# Allegro board ZDRK-36-DE3-A02-20190729.brd (continued)
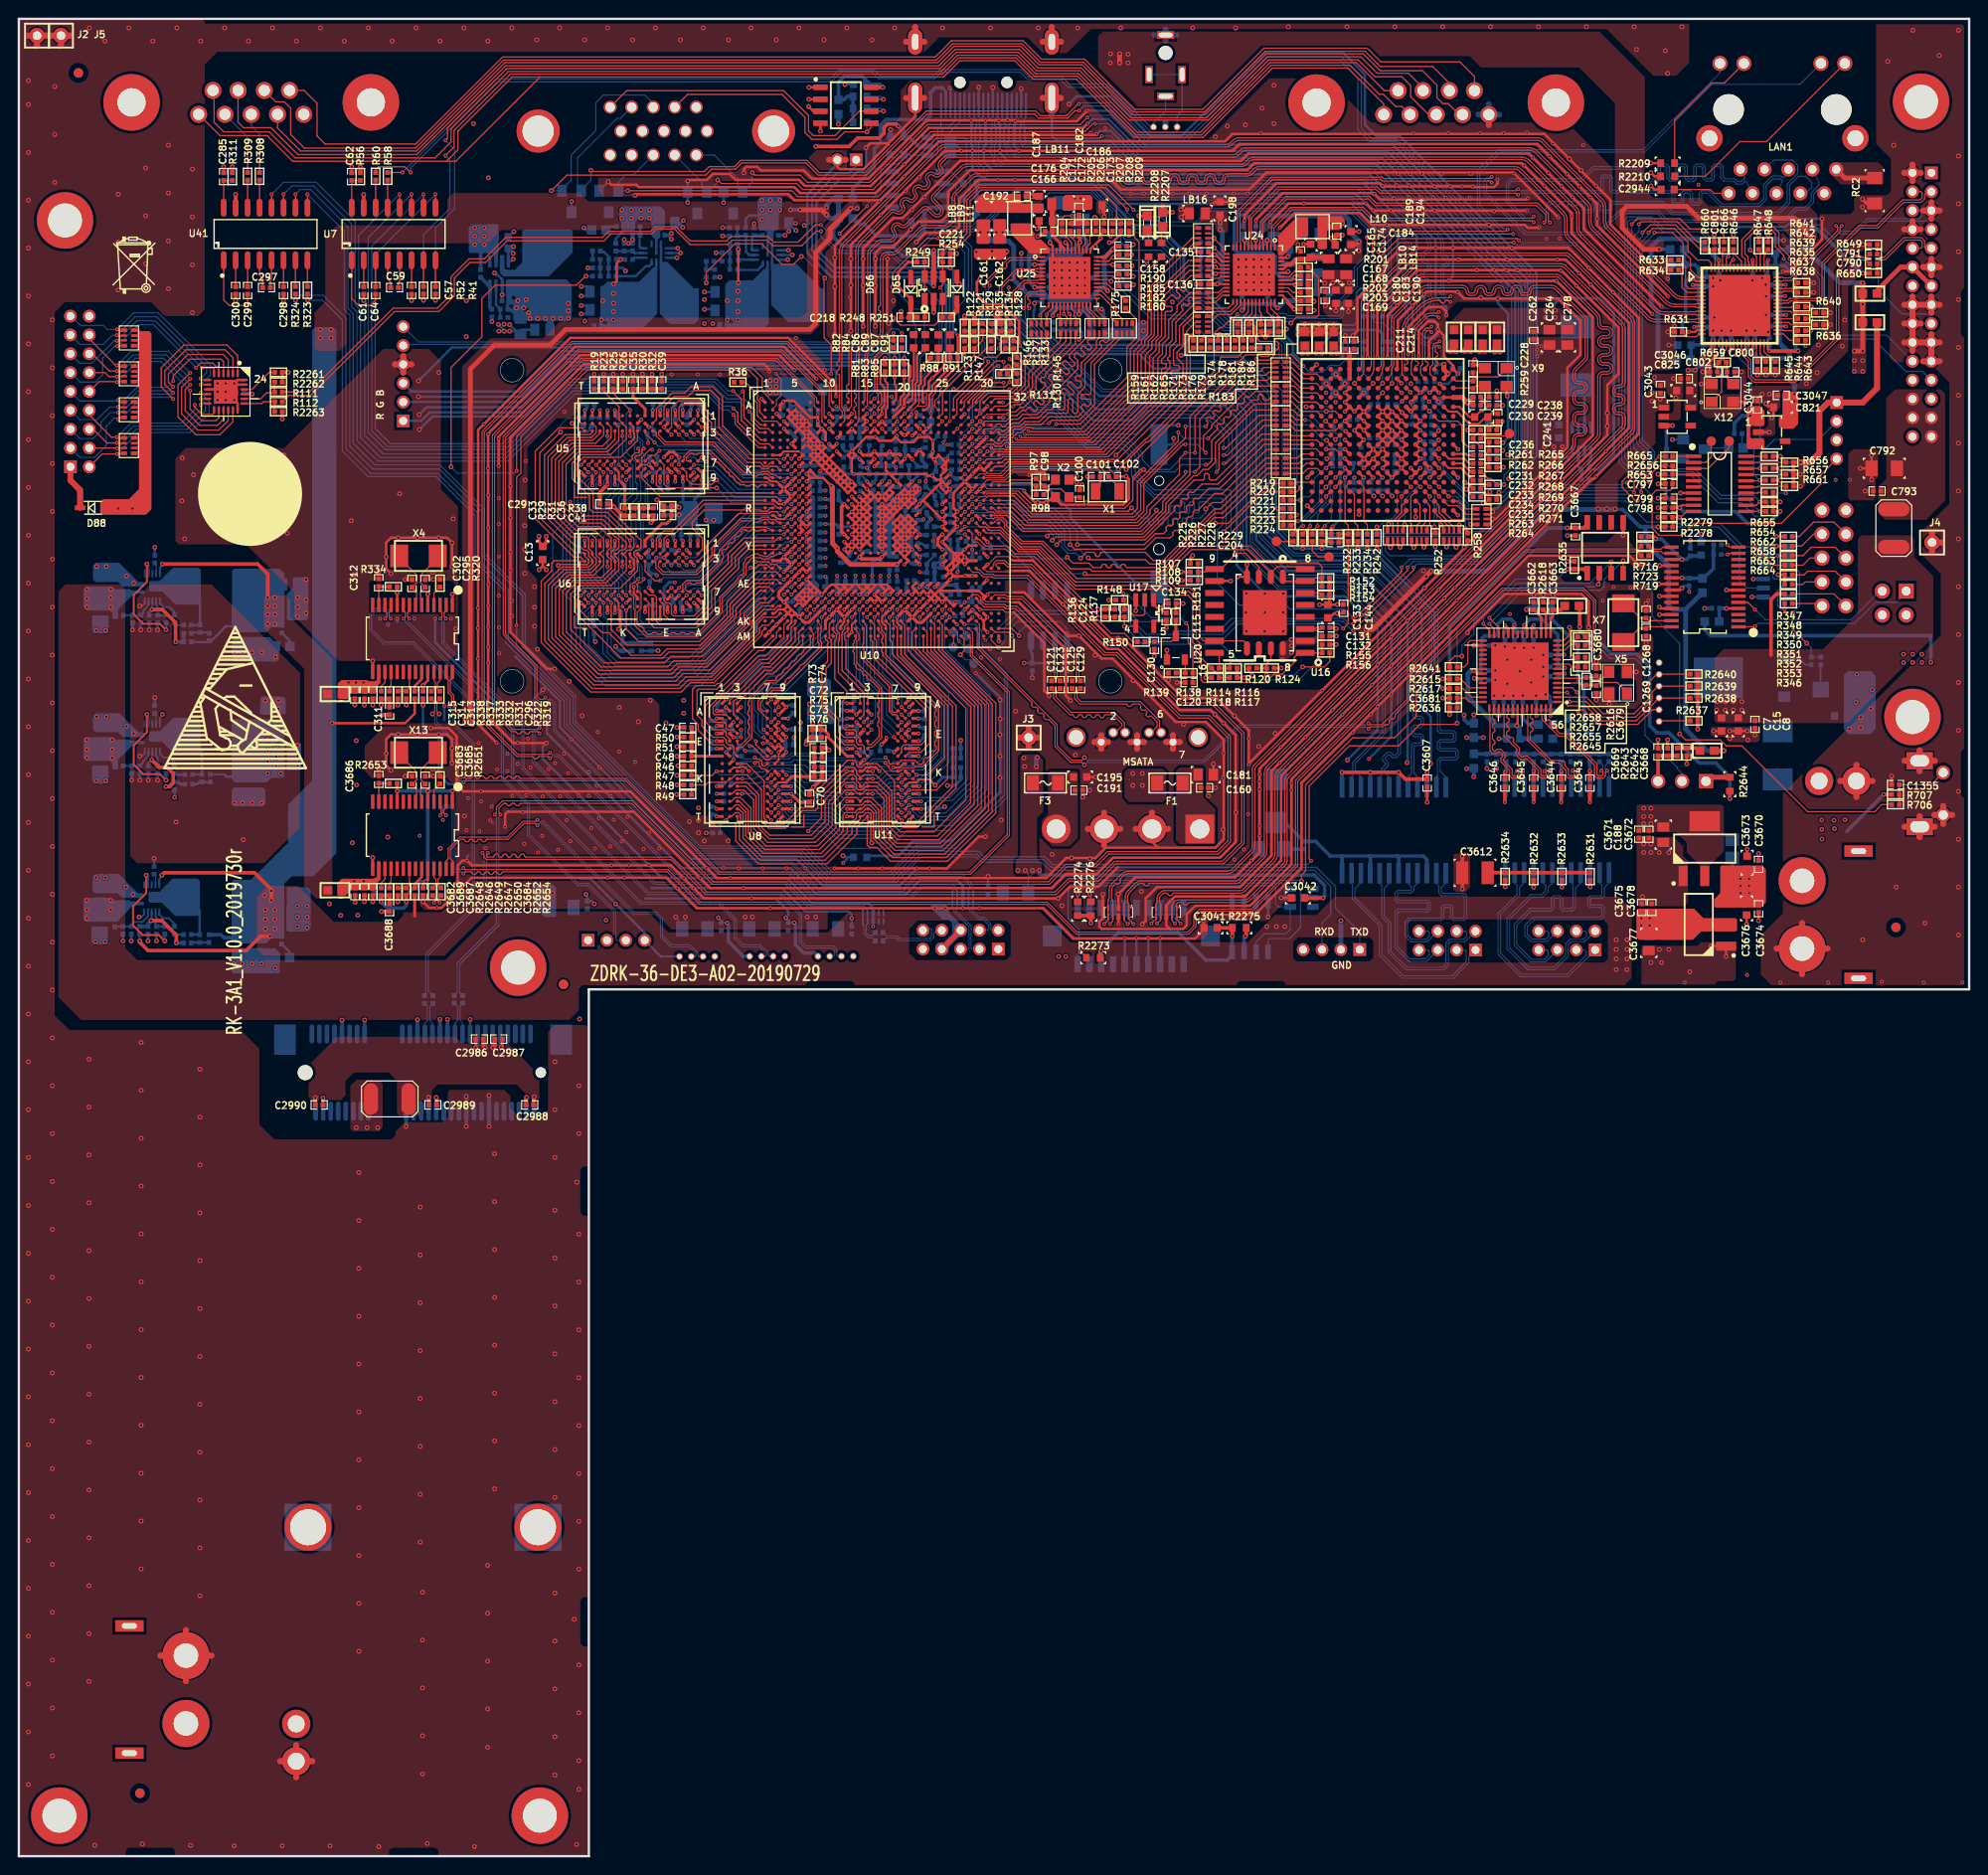
[diagram p0: board, top side]
## Routing (per net, layer and track width the routed paths; a pad name or vN(x,y) marks a point on that pad's centre or on a via; arc(x,y) is an arc through that point) (continued)
DDR1_WE_N: length 42
  TOP w0.127: U11.L3 v1(90.63,114.35) ; U8.L3 v1(76.79,114.35) ; U10.AG19 v1(93.21,133.09)
  BOTTOM w0.127: v1(93.21,133.09) 92.82,132.7 92.82,126.83 97.16,122.5 97.16,117.16 95.72,115.72 93.92,115.72 93.35,115.15 91.92,115.15 91.12,114.35 v1(90.63,114.35) 90.28,114.71 83.71,114.71 83.08,115.34 81.88,115.34 81.76,115.45 79.95,115.45 79.05,114.55 78.33,114.55 78.13,114.35 v1(76.79,114.35)
DDR1_ZQ: length 1.6
  TOP w0.305: U10.AF20 v1(94.01,133.89)
  BOTTOM w0.254: R395.1 93.84,133.89 v1(94.01,133.89)
DDR_VREF_CA_0: length 7.7
  TOP w0.203: 63.98,145.79 63.68,146.09 63.68,146.86 U5.M8
  TOP w0.305: C36.2 R31.2 R29.1 C33.1 64.3,145.47 63.98,145.79
DDR_VREF_CA_1: length 8.2
  TOP w0.178: U6.M8 63.68,133.01 63.68,132.29
  TOP w0.203: 63.68,132.29 63.84,132.13
  TOP w0.305: v2(63.66,130.23) 63.84,130.4 63.84,132.13
  BOTTOM w0.381: C498.2 R409.2 C501.1 R411.1 64.1,129.8 v2(63.66,130.23)
DDR_VREF_CA_2: length 7.7
  TOP w0.203: U8.M8 80.66,113.96 81.42,113.96 81.73,114.26
  TOP w0.305: 81.73,114.26 82.05,114.58 R76.1 C73.1 R75.2 C72.2
DDR_VREF_CA_3: length 9
  TOP w0.203: U11.M8 94.51,113.96 95.26,113.96 95.57,114.26 96.66,114.26 v2(97.25,113.67)
  BOTTOM w0.305: v2(97.25,113.67) 98.1,114.51 C353.1 R385.1 R384.2 C352.2
DDR_VREF_DQ_0: length 6.4
  TOP w0.305: C39.2 R32.2 R30.1 C35.1 65.19,154.88 66.47,153.6 U5.H1
DDR_VREF_DQ_1: length 8.4
  TOP w0.305: U6.H1 66.47,139.65 68.23,141.41 68.74,141.41 69.28,141.95 C41.1 R38.1
  TOP w0.381: v2(70.08,143.15) 69.92,143.31 R38.1
  BOTTOM w0.381: v2(70.08,143.15) R408.2 C491.2
DDR_VREF_DQ_2: length 6.3
  TOP w0.305: U8.H1 71.42,116.75 C48.1
  TOP w0.381: C48.1 R51.1 R50.2 C47.2
DDR_VREF_DQ_3: length 8
  TOP w0.305: U11.H1 87.9,116.75 85.94,118.71 85.94,119.04 85.42,119.56 C74.1 R73.1
  TOP w0.381: R73.1 84.21,120.2 v2(84.28,120.27)
  BOTTOM w0.381: v2(84.28,120.27) C440.2 R403.2
EDP_BL_DIM: length 34
  TOP w0.127: v1(187.33,169.52) 187.33,169.9 186.44,170.79 186.44,172.19 186.03,172.59 184.4,172.59 183.21,171.4 183.21,170.05 183.54,169.72 183.54,169.27 183.64,169.17 U66.54
  BOTTOM w0.127: JE1.23 202.07,157.58 200.28,157.58 196.85,161.01 192.2,161.01 191.14,162.08 191.14,167.36 189.87,168.63 188.21,168.63 v1(187.33,169.52)
EDP_BL_EN: length 31.8
  TOP w0.127: U66.55 183.24,169.49 182.88,169.85 182.88,171.58 184.2,172.9 186.23,172.9 186.82,172.31 186.82,170.92 187.96,169.77 v1(187.96,169.52)
  BOTTOM w0.127: v1(187.96,169.52) 188.47,169.01 189.99,169.01 191.52,167.49 191.52,162.15 192.25,161.42 198.23,161.42 JE1.22
EDP_D0+: length 21
  TOP w0.114: v1(192.87,173.03) 193.05,172.86 193.05,172.52 188.03,167.5 187.3,167.5 187.23,167.57 U66.48
  BOTTOM w0.114: JE1.7 203,173.08 202.54,173.53 196.29,173.53 194.93,172.17 193.33,172.17 193.05,172.46 193.05,172.86 v1(192.87,173.03)
EDP_D0-: length 20.9
  TOP w0.114: v1(193.48,173.03) 193.31,172.86 193.31,172.41 188.14,167.23 187.3,167.23 187.23,167.17 U66.47
  BOTTOM w0.114: JE1.6 201.77,174.65 201.93,174.5 201.93,174.02 201.71,173.8 196.18,173.8 194.82,172.44 193.44,172.44 193.31,172.57 193.31,172.86 v1(193.48,173.03)
EDP_D1+: length 23.6
  TOP w0.114: U66.42 187.23,165.17 187.3,165.1 187.73,165.1 187.96,165.33 191.14,165.33 191.39,165.58 191.39,169.13 195.32,173.06 197.22,173.06 199.94,175.78 201.79,175.78 202.02,176 202.02,176.54 201.9,176.65 JE1.4
EDP_D1-: length 23.7
  TOP w0.114: JE1.3 202.56,176.65 202.28,176.37 202.28,175.89 201.9,175.51 200.05,175.51 197.33,172.8 195.43,172.8 191.66,169.02 191.66,165.47 191.25,165.06 188.07,165.06 187.84,164.83 187.3,164.83 187.23,164.77 U66.41
EECLK: length 16.4
  TOP w0.127: U1494.2 167.74,135.08 v2(167.64,134.98) ; v1(156.08,131.42) 157.08,130.42 U1.26
  BOTTOM w0.127: v2(167.64,134.98) 167.39,134.72 159.38,134.72 v1(156.08,131.42)
EECS: length 5.1
  TOP w0.127: U1.29 155.4,129.01 154.05,129.01 153.8,128.75 153.8,126.59 153.42,126.21 R2641.1
EECS_J: length 20.9
  TOP w0.127: R2641.2 151.87,126.82 152.4,127.36 v2(153.16,127.36)
  TOP w0.381: v2(164.36,136.6) R2635.2 166.09,136.6 166.47,136.22 U1494.1
  BOTTOM w0.127: v2(164.36,136.6) 163.3,135.53 158.9,135.53 154.43,131.06 154.43,129.74 153.16,128.47 v2(153.16,127.36)
EEDI: length 20.1
  TOP w0.127: U1494.4 v2(170.28,137.49) ; v1(156.08,130.78) 156.58,130.28 U1.27
  BOTTOM w0.127: v1(156.08,130.78) 159.64,134.34 167.89,134.34 168.28,134.72 168.28,135.48 v2(170.28,137.49)
EEDO: length 19.3
  TOP w0.127: v1(155.45,130.78) 156.08,130.15 U1.28 ; U1494.3 v2(169.01,137.36)
  BOTTOM w0.127: v2(169.01,137.36) 166.75,135.1 159,135.1 155.45,131.55 v1(155.45,130.78)
EPHY0_CLK: length 19.9
  TOP w0.127: v1(129.34,163.63) 128.63,162.92 128.4,162.92 127.71,162.23 127.48,162.23 126.59,161.34 125.91,161.34 125.53,160.96 R161.1 ; R201.1 137.97,167.51 137.97,163.58 137.72,163.32 135.61,163.32 v2(135,162.71)
  BOTTOM w0.127: v1(129.34,163.63) 129.39,163.63 129.46,163.55 131.95,163.55 132.64,162.86 134.85,162.86 v2(135,162.71)
EPHY0_RSTN: length 1
  TOP w0.127: R173.1 129.36,161.16 R174.2
EPHY1_CLK: length 8.2
  TOP w0.127: v1(111.79,174.09) 111.02,174.09 110.74,173.81 R204.1 ; v1(115.88,171.88) 116.08,172.08 R207.1
  BOTTOM w0.114: v1(115.88,171.88) 115.88,172.06 115.09,172.85 112.01,172.85 111.66,173.2 111.66,173.71 111.79,173.84 v1(111.79,174.09)
EPHY1_RSTN: length 28.7
  TOP w0.127: v1(110.11,151.99) 112.65,151.99 117.6,156.95 117.6,160.12 118.62,161.14 118.62,163.14 R175.2 ; U10.F27 v1(100.41,150.69)
  BOTTOM w0.127: v1(110.11,151.99) 109.78,151.66 103.81,151.66 103.38,151.23 102.51,151.23 102.23,150.95 101.57,150.95 101.47,151.05 100.77,151.05 v1(100.41,150.69)
GE0_1V05_PHY: length 3.5
  TOP w0.508: 138.47,172.97 138.42,172.92 ; 138.42,172.92 138.32,172.82 C184.1 ; 138.42,172.92 138.47,172.87 C189.1
  vias: v2(139.14,173.3) v2(140.49,173.3)
GE0_1V05A_PHY: length 17.7
  TOP w0.203: U24.40 135.42,166.84 v2(135.51,166.75) ; U24.3 v2(132.49,171.5) ; U24.9 130.09,171.49 v2(130.1,171.5)
  TOP w0.381: v2(135.51,166.75) 135.61,166.85 C168.1
  BOTTOM w0.508: C142.1 129.92,171.68 v2(130.1,171.5) 130.81,170.79 131.78,170.79 v2(132.49,171.5) ; v2(132.49,171.5) 132.84,171.85 C151.1 133.63,172.16 133.92,171.87 C157.1 ; v2(132.49,171.5) 132.77,171.5 133.99,170.28 133.99,169.39 134.37,169.01 135.38,169.01 136.12,168.27 136.12,167.26 135.61,166.75 v2(135.51,166.75)
GE0_1V05D_PHY: length 13.5
  TOP w0.203: v2(129.82,164.06) 129.94,164.06 130.09,164.21 U24.28 ; v2(133.6,164.31) 133.49,164.31 133.29,164.52 U24.36
  BOTTOM w0.381: v2(133.6,164.31) 133.2,164.72 C155.1 C139.1 v2(129.82,164.06)
  BOTTOM w0.508: v2(133.6,164.31) 134.37,165.07 136.5,165.07 137.39,165.96 C156.1 137.73,167.97 LB6.2
GE0_3V3A_PHY: length 35.8
  TOP w0.203: U24.6 v2(131.29,171.53) ; U24.41 135.11,167.24 v2(135.43,167.56)
  TOP w0.381: C194.1 141.92,171.03 v2(142.24,171.35) ; v2(135.43,167.56) 135.61,167.74 C167.1
  BOTTOM w0.381: v2(135.43,167.56) 135.36,167.49 133.99,167.49 133.35,168.12 133.35,169.77 132.97,170.15 129.41,170.15 129.03,170.54 129.03,173.79 129.41,174.17 130.28,174.17 130.68,173.76 130.68,172.43 130.95,172.16 C146.1
  BOTTOM w0.508: v2(131.29,171.53) 131.32,171.55 C146.1 131.67,172.16 132.08,172.57 132.08,173.58 132.59,174.09 140.72,174.09 141.22,173.58 141.22,172.44 142.24,171.42 v2(142.24,171.35) v2(142.24,170.38)
GE0_3V3D_PHY: length 12.8
  TOP w0.203: U24.15 127.71,169.24 127,169.95 v2(126.92,169.95) ; v2(127.23,166.85) 127.24,166.84 U24.21
  TOP w0.305: v2(126.92,169.95) 126.85,170.03 126.49,170.03 C135.1
  TOP w0.381: C136.1 127.2,166.83 v2(127.23,166.85)
  TOP w0.508: C198.1 127.48,173.43 v2(127.51,173.41)
  BOTTOM w0.508: 127.74,169.95 127.74,172.39 v2(127.51,172.62) v2(127.51,173.41) ; 127.74,169.95 127.74,167.36 v2(127.23,166.85) ; 127.74,169.95 v2(126.92,169.95)
GE0_AN0: length 3
  TOP w0.127: U24.17 128.2,168.45 127.2,168.45 v2(127.03,168.63) 126.86,168.8 RN22.7
  BOTTOM w0.127: R378.1 126.45,168.8 126.86,168.8 v2(127.03,168.63)
GE0_AN1: length 3.1
  TOP w0.127: U24.18 127.12,168.04 v2(127.03,167.94) 126.9,167.94 126.55,168.3 RN22.6
  BOTTOM w0.127: R379.1 126.59,168.04 126.93,168.04 v2(127.03,167.94)
GE0_ENSWREG: length 2.5
  TOP w0.127: U24.38 134.64,166.04 135.61,165.07 R203.2
GE0_LED0_ACTIVE/PHY_AD0: length 82.5
  TOP w0.114: v2(144.31,171.05) 145.72,172.47 157.84,172.47 v1(158.01,172.64)
  TOP w0.127: R184.2 133.1,162.94 v1(133.1,163.3) 132.49,163.9 U24.34
  BOTTOM w0.114: v1(133.1,163.3) 133.1,163.61 133.21,163.73 134.44,163.73 134.7,163.47 140.13,163.47 140.31,163.65 140.31,165.25 141.76,166.7 141.76,168.63 144.18,171.05 v2(144.31,171.05) ; J115.13 189.04,188.04 179.73,188.04 172.54,180.85 157.25,180.85 155.07,178.66 155.07,175.18 157.61,172.64 v1(158.01,172.64)
GE0_LED1_LINK/PHY_AD1: length 73.4
  TOP w0.114: v2(144.32,170.28) 144.32,170.34 146.14,172.16 v1(158.62,172.16)
  TOP w0.127: R186.1 v1(133.68,163.3) 133.65,163.32 133.65,163.5 132.89,164.27 U24.35
  BOTTOM w0.114: v1(133.68,163.3) 134.37,163.3 134.47,163.19 140.28,163.19 140.61,163.53 140.61,165.15 142.06,166.6 142.06,168.5 143.84,170.28 v2(144.32,170.28) ; J115.11 180.56,189.28 172.39,181.1 157,181.1 154.81,178.92 154.81,175.01 157.66,172.16 v1(158.62,172.16)
GE0_MDI0_N: length 75.1
  TOP w0.114: v1(160.78,174.02) 160.61,173.85 143.82,173.85 142.68,174.99 135.02,174.99 132.96,172.93 132.96,171.29 132.89,171.23 U24.2
  BOTTOM w0.114: J115.3 183.41,177.68 183.26,177.73 183.11,177.66 182.91,177.46 182.31,177.46 182.01,177.76 180.98,177.76 180.63,178.11 180.63,179.2 180.52,179.31 180.06,179.31 179.95,179.2 179.95,178.03 179.68,177.76 179.07,177.76 178.73,178.11 178.73,179.2 178.61,179.31 178.16,179.31 178.04,179.2 178.04,178.03 177.77,177.76 177.17,177.76 176.82,178.11 176.82,179.2 176.71,179.31 176.25,179.31 176.14,179.2 176.14,178.03 175.87,177.76 175.26,177.76 174.92,178.11 174.92,179.2 174.8,179.31 174.35,179.31 174.23,179.2 174.23,178.03 173.96,177.76 172.94,177.76 171.67,179.03 167.17,179.03 165.9,177.76 158.48,177.76 158.14,177.42 158.14,175.67 159.96,173.85 160.61,173.85 v1(160.78,174.02)
GE0_MDI0_P: length 75.1
  TOP w0.114: v1(160.78,173.41) 160.61,173.58 143.71,173.58 142.57,174.73 135.13,174.73 133.22,172.82 133.22,171.29 133.29,171.23 U24.1
  BOTTOM w0.114: J115.2 183.19,178.12 183.14,177.97 182.96,177.88 182.8,177.72 182.42,177.72 182.12,178.03 181.09,178.03 180.9,178.22 180.9,179.31 180.63,179.58 179.95,179.58 179.68,179.31 179.68,178.14 179.57,178.03 179.19,178.03 178.99,178.22 178.99,179.31 178.72,179.58 178.05,179.58 177.78,179.31 177.78,178.14 177.66,178.03 177.28,178.03 177.09,178.22 177.09,179.31 176.82,179.58 176.14,179.58 175.87,179.31 175.87,178.14 175.76,178.03 175.38,178.03 175.18,178.22 175.18,179.31 174.91,179.58 174.24,179.58 173.97,179.31 173.97,178.14 173.85,178.03 173.05,178.03 171.78,179.3 167.06,179.3 165.79,178.03 158.37,178.03 157.87,177.53 157.87,175.56 159.85,173.58 160.61,173.58 v1(160.78,173.41)
GE0_MDI1_N: length 75.2
  TOP w0.114: U24.5 131.69,171.23 131.76,171.29 131.76,173.43 134.46,176.14 143.37,176.14 144.05,175.45 161.2,175.45 162.34,174.31 162.34,173.55 v1(162.52,173.38)
  BOTTOM w0.114: J115.7 189.64,176.48 190.3,177.14 190.3,177.65 189.66,178.28 188.9,178.28 188.55,177.94 187.95,177.33 187.95,175.42 186.73,174.21 175.48,174.21 174.34,175.35 169.22,175.35 169.11,175.23 169.11,174.69 168.84,174.42 168.16,174.42 167.89,174.69 167.89,175.23 167.78,175.35 167.32,175.35 167.2,175.23 167.2,174.69 166.93,174.42 166.25,174.42 165.98,174.69 165.98,175.23 165.87,175.35 165.44,175.35 165.32,175.23 165.32,175.2 165.21,175.08 164.98,175.08 164.86,175.2 164.86,175.23 164.75,175.35 164.5,175.35 164.38,175.23 164.38,175.2 164.27,175.08 164.04,175.08 163.92,175.2 163.92,175.23 163.81,175.35 163.53,175.35 163.42,175.23 163.42,175.2 163.3,175.08 163.07,175.08 162.96,175.2 162.96,175.23 162.84,175.35 162.6,175.35 162.36,175.11 162.36,173.54 v1(162.52,173.38)
GE0_MDI1_P: length 75.3
  TOP w0.114: v1(161.91,173.38) 162.08,173.55 162.08,174.2 161.09,175.18 143.94,175.18 143.26,175.87 134.57,175.87 132.02,173.32 132.02,171.29 132.09,171.23 U24.4
  BOTTOM w0.114: J115.4 186.27,180.01 188.24,180.01 188.82,179.43 188.82,178.59 187.68,177.44 187.68,175.54 186.62,174.47 175.59,174.47 174.45,175.62 169.11,175.62 168.84,175.35 168.84,174.8 168.73,174.69 168.27,174.69 168.16,174.8 168.16,175.35 167.89,175.62 167.21,175.62 166.94,175.35 166.94,174.8 166.82,174.69 166.37,174.69 166.25,174.8 166.25,175.35 165.98,175.62 162.49,175.62 162.09,175.22 162.09,173.56 v1(161.91,173.38)
GE0_MDI2_N: length 75.3
  TOP w0.114: v1(159.13,176.93) 158.96,176.76 144.57,176.76 144.18,177.15 133.72,177.15 130.56,173.99 130.56,171.29 130.49,171.23 U24.8
  BOTTOM w0.114: v1(159.13,176.93) 159.3,176.76 167.8,176.76 167.91,176.87 167.91,178.16 168.18,178.44 168.86,178.44 169.13,178.16 169.13,176.87 169.24,176.76 169.7,176.76 169.82,176.87 169.82,178.16 170.09,178.44 170.76,178.44 171.04,178.16 171.04,176.87 171.15,176.76 175.48,176.76 175.75,176.49 175.75,175.62 175.87,175.5 176.32,175.5 176.44,175.62 176.44,176.49 176.71,176.76 177.39,176.76 177.66,176.49 177.66,175.62 177.77,175.5 178.23,175.5 178.34,175.62 178.34,176.49 178.61,176.76 179.35,176.76 180.76,175.35 184.62,175.35 185.19,175.92 185.19,177.39 186.12,178.32 187.04,178.32 187.12,178.25 187.26,178.17 187.43,178.23 J115.6
GE0_MDI2_P: length 75.3
  TOP w0.114: U24.7 130.89,171.23 130.82,171.29 130.82,173.88 133.83,176.89 144.07,176.89 144.46,176.49 158.96,176.49 v1(159.13,176.32)
  BOTTOM w0.114: J115.5 187.2,177.77 187.14,177.93 187,178.01 187,178.01 186.18,178.01 185.46,177.28 185.46,175.81 184.73,175.08 180.64,175.08 179.23,176.49 178.72,176.49 178.61,176.38 178.61,175.51 178.34,175.23 177.66,175.23 177.39,175.51 177.39,176.38 177.28,176.49 176.82,176.49 176.7,176.38 176.7,175.51 176.43,175.23 175.76,175.23 175.49,175.51 175.49,176.38 175.37,176.49 171.04,176.49 170.77,176.76 170.77,178.05 170.65,178.17 170.2,178.17 170.08,178.05 170.08,176.76 169.81,176.49 169.13,176.49 168.86,176.76 168.86,178.05 168.75,178.17 168.29,178.17 168.18,178.05 168.18,176.76 167.91,176.49 159.3,176.49 v1(159.13,176.32)
GE0_MDI3_N: length 76.2
  TOP w0.114: U24.11 129.29,171.23 129.36,171.29 129.36,174.61 132.93,178.19 144.72,178.19 144.86,178.05 156.17,178.05 v1(156.34,178.23)
  BOTTOM w0.114: J115.9 191.28,176.83 190.93,176.83 190.86,176.77 190.5,176.41 190.5,175.52 189.68,174.7 188.72,174.7 187.41,173.39 174.87,173.39 173.93,174.33 169.96,174.33 167.72,172.1 159.85,172.1 155.52,176.43 155.52,177.85 155.81,178.13 156.17,178.13 156.26,178.23 v1(156.34,178.23)
GE0_MDI3_P: length 76.2
  TOP w0.114: v1(156.34,177.62) 156.17,177.79 144.75,177.79 144.61,177.93 133.05,177.93 129.62,174.5 129.62,171.29 129.69,171.23 U24.10
  BOTTOM w0.114: v1(156.34,177.62) 156.34,177.69 156.17,177.86 155.92,177.86 155.79,177.74 155.79,176.54 159.97,172.36 167.61,172.36 169.85,174.6 174.04,174.6 174.98,173.66 187.3,173.66 188.61,174.97 189.57,174.97 190.23,175.63 190.23,176.52 190.75,177.04 190.98,177.27 191.09,177.57 J115.8
GE0_PHY_AD2: length 3.9
  TOP w0.127: 126.82,171.73 127.76,170.79 127.76,170.38 128.1,170.04 U24.13 ; 126.82,171.73 v2(126.85,171.73) ; 126.82,171.73 RN21.6
  BOTTOM w0.127: v2(126.85,171.73) 126.85,171.4 126.72,171.27 R375.1
GE0_RXDLY: length 2.4
  TOP w0.127: U24.32 131.69,163.93 131.85,163.77 R181.1
GE0_SELRGV: length 3.4
  TOP w0.127: RN21.5 126.41,171.15 v2(126.89,170.68) 127.92,169.64 U24.14
  BOTTOM w0.127: v2(126.89,170.68) 126.56,170.68 R376.1
GE0_TXDLY: length 3
  TOP w0.127: RN22.8 126.35,169.24 126.95,169.24 ; 126.95,169.24 127.15,169.24 127.55,168.84 U24.16 ; 126.95,169.24 v2(126.9,169.29)
  BOTTOM w0.127: v2(126.9,169.29) 126.8,169.39 126.37,169.39 R377.1
GE0_VDDREG: length 8
  TOP w0.254: U24.44 134.23,168.44 134.59,168.81 135.05,168.81 135.61,169.37 135.89,169.37 C165.1 136.02,169.55 135.48,169.55 134.98,169.04 134.59,169.04 134.4,168.84 U24.45
  TOP w0.508: LB10.2 138.86,169.68 C174.1 136.94,169.52 C165.1
GE1_1V05A_PHY: length 18.9
  TOP w0.203: v2(107.82,168.91) U25.3 ; U25.9 v2(107.82,166.51) ; v2(112.62,171.27) 112.62,171.22 112.53,171.13 U25.40
  TOP w0.381: C172.1 112.52,171.91 112.62,171.81 v2(112.62,171.27)
  BOTTOM w0.381: C143.1 107.86,166.47 v2(107.82,166.51) 107.21,167.12 C152.1 ; C152.1 107.21,169.9 ; C152.1 107.78,168.96 v2(107.82,168.91) ; 107.21,169.9 108.13,169.9 108.71,170.48 111.84,170.48 v2(112.62,171.27) ; 107.21,169.9 107.21,170.56 105.44,172.34 v2(104.42,172.34)
  vias: v2(103.76,172.34)
GE1_1V05D_PHY: length 27.4
  TOP w0.203: U25.36 115,169.71 ; U25.28 115.17,166.51 v2(115.56,166.13)
  TOP w0.381: C158.1 116.43,170.87 v2(116.12,170.55) 115.28,169.71 115,169.71
  BOTTOM w0.508: v2(116.12,170.55) 115.21,169.65 C140.1 115.27,167.82 115.27,166.42 ; 115.27,166.42 v2(115.56,166.13) ; 115.27,166.42 114.83,166.42 113.49,165.07 109.6,165.07 108.97,165.71 107.19,165.71 105.59,167.31 105.59,170.87 105.03,171.42 103.35,171.42 102.84,171.93 v2(102.84,172.34)
  vias: v2(102.06,172.34)
GE1_3V3A_PHY: length 15.9
  TOP w0.127: U25.41 112.13,171.38 111.81,171.7 v2(111.81,171.93)
  TOP w0.203: U25.6 v2(107.82,167.71)
  TOP w0.381: v2(111.81,171.93) 111.63,172.11 C171.1
  BOTTOM w0.381: C196.1 111.01,171.93 v2(111.81,171.93) 111.89,171.86 112.95,171.86 113.33,171.48 113.33,170.56 112.75,169.98 109.58,169.98 108.48,168.88 C148.1 107.83,167.72 v2(107.82,167.71)
  BOTTOM w0.508: C196.1 110.69,172.25 110.69,173.19 LB15.2
GE1_3V3D_PHY: length 10
  TOP w0.203: U25.15 110.13,164.06 109.73,163.65 v1(109.73,163.5) ; U25.21 112.53,163.66 v2(112.52,163.65)
  BOTTOM w0.508: LB17.2 113.73,161.57 C199.1 113.51,163.26 C137.1 113.06,164.19 v2(112.52,163.65) 111.86,164.31 110.03,164.31 109.73,164.01 v1(109.73,163.5)
GE1_AN0: length 3.3
  TOP w0.127: U25.17 110.93,163.69 v1(110.92,163.68) 111.25,163.35 111.25,163.04 111.14,162.93 RN20.7
  BOTTOM w0.114: v1(110.92,163.68) 110.92,163.63 111.63,162.92 R373.1
GE1_AN1: length 3.5
  TOP w0.127: RN20.6 111.64,163.55 v1(111.51,163.68) 111.51,163.7 111.33,163.88 U25.18
  BOTTOM w0.127: R374.1 111.66,163.68 v1(111.51,163.68)
GE1_ENSWREG: length 2.5
  TOP w0.127: U25.38 113.33,170.76 113.69,171.12 113.69,171.86 R206.2
GE1_LED0_ACTIVE/PHY_AD0: length 8.5
  TOP w0.127: R2207.1 119.79,168.25 v1(119.76,168.25) ; U25.34 v2(116.13,168.91) 116.26,168.78 R185.1
  BOTTOM w0.127: v2(116.13,168.91) 116.81,168.91 117.47,168.25 v1(119.76,168.25)
GE1_LED1_LINK/PHY_AD1: length 7.3
  TOP w0.127: v1(119.76,169.01) 119.91,169.16 R2208.1 ; R190.2 116.48,169.98 v2(116.18,169.67) 116.05,169.67 115.65,169.27 114.46,169.27 U25.35
  BOTTOM w0.127: v2(116.18,169.67) 117.32,169.67 117.6,169.39 119.38,169.39 v1(119.76,169.01)
GE1_MDI0_N: length 95
  TOP w0.114: U25.2 108.15,169.31 108.08,169.38 105.22,169.38 104.84,169 104.84,168.84 104.85,168.82 104.85,168.66 104.69,168.5 104.53,168.5 104.51,168.51 104.35,168.51 102.9,167.06 102.9,166.85 v1(103.07,166.67)
  BOTTOM w0.114: v1(103.07,166.67) 102.91,166.52 102.91,163.08 109.92,156.07 111.29,156.07 114.18,153.17 118.02,153.17 119.52,154.67 128.25,154.67 129.93,152.99 129.93,138.52 133.68,134.77 140.66,134.77 145.03,130.41 145.03,119.17 141.86,116 141.86,115.14 142.45,114.55 T3.3
GE1_MDI0_P: length 95
  TOP w0.114: U25.1 108.15,169.71 108.08,169.65 105.11,169.65 102.63,167.17 102.63,166.85 v1(102.46,166.67)
  BOTTOM w0.114: T3.2 141.45,114.55 141.59,114.7 141.59,116.11 144.76,119.28 144.76,130.3 140.55,134.51 133.57,134.51 129.67,138.41 129.67,152.88 128.14,154.41 119.63,154.41 118.14,152.91 114.07,152.91 111.18,155.8 109.81,155.8 102.64,162.97 102.64,166.49 v1(102.46,166.67)
GE1_MDI1_N: length 93.5
  TOP w0.114: v1(104.48,165.91) 104.33,166.06 104.33,166.49 105.12,167.28 105.28,167.28 105.31,167.25 105.47,167.25 105.63,167.41 105.63,167.57 105.6,167.6 105.6,167.76 106.04,168.2 108.08,168.2 108.16,168.11 U25.5
  BOTTOM w0.114: T3.6 145.45,114.55 144.89,115.11 144.89,115.28 145.32,115.7 145.32,116.08 145.02,116.39 145.02,116.55 145.34,116.87 145.5,116.87 145.8,116.57 146.19,116.57 146.65,117.03 146.65,130.77 141.46,135.95 134.43,135.95 130.95,139.43 130.95,153.63 128.63,155.94 119.14,155.94 117.64,154.44 114.52,154.44 111.6,157.37 110.15,157.37 104.32,163.19 104.32,165.75 v1(104.48,165.91)
GE1_MDI1_P: length 93.6
  TOP w0.114: v1(103.87,165.91) 104.06,166.11 104.06,166.6 105.93,168.46 108.11,168.46 108.16,168.51 U25.4
  BOTTOM w0.114: T3.5 144.45,114.55 144.63,114.73 144.63,115.39 145.05,115.81 145.05,115.97 144.75,116.27 144.75,116.66 145.23,117.14 145.61,117.14 145.91,116.84 146.08,116.84 146.38,117.14 146.38,130.66 141.35,135.69 134.32,135.69 130.68,139.32 130.68,153.52 128.52,155.68 119.25,155.68 117.75,154.18 114.41,154.18 111.48,157.1 110.04,157.1 104.05,163.08 104.05,165.73 v1(103.87,165.91)
GE1_MDI2_N: length 93
  TOP w0.114: v1(105.85,165.02) 105.68,165.2 105.68,165.85 106.17,166.34 106.33,166.34 106.38,166.29 106.55,166.29 106.71,166.45 106.71,166.61 106.65,166.67 106.65,166.83 106.79,166.97 108.16,166.97 108.22,166.91 U25.8
  BOTTOM w0.114: T3.9 148.45,114.55 148.08,114.92 148.08,117.75 148.2,117.87 148.83,117.87 149.1,118.14 149.1,118.82 148.83,119.09 148.2,119.09 148.08,119.2 148.08,119.66 148.2,119.77 148.83,119.77 149.1,120.04 149.1,120.72 148.83,120.99 148.34,120.99 148.22,121.11 148.22,131.66 142.78,137.1 134.99,137.1 131.97,140.12 131.97,154.26 129.03,157.2 118.74,157.2 117.23,155.69 115.07,155.69 112.21,158.55 110.47,158.55 105.7,163.31 105.7,164.88 v1(105.85,165.02)
GE1_MDI2_P: length 93.2
  TOP w0.114: v1(105.24,165.02) 105.41,165.2 105.41,165.96 106.68,167.24 108.16,167.24 108.23,167.31 U25.7
  BOTTOM w0.114: T3.8 147.45,114.53 147.82,114.9 147.82,117.86 148.09,118.13 148.72,118.13 148.83,118.25 148.83,118.71 148.72,118.82 148.09,118.82 147.82,119.09 147.82,119.77 148.09,120.04 148.72,120.04 148.83,120.15 148.83,120.61 148.72,120.73 148.23,120.73 147.96,121 147.96,131.55 142.67,136.83 134.88,136.83 131.7,140.01 131.7,154.15 128.92,156.93 118.86,156.93 117.34,155.42 114.96,155.42 112.1,158.28 110.35,158.28 105.44,163.2 105.44,164.83 v1(105.24,165.02)
GE1_MDI3_N: length 94.1
  TOP w0.114: U25.11 108.15,165.71 108.08,165.78 107.41,165.78 107.07,165.45 107.07,165.29 107.19,165.18 107.23,165.18 107.34,165.06 107.34,164.83 107.23,164.72 107.19,164.72 107.07,164.6 107.07,164.46 v1(107.25,164.29)
  BOTTOM w0.114: v1(107.25,164.29) 107.09,164.13 107.09,163.27 110.34,160.02 119.25,160.02 120.56,158.71 129.42,158.71 132.97,155.16 132.97,140.69 135.38,138.28 143.51,138.28 149.97,131.81 149.97,122.31 150.85,121.44 150.85,119.56 150.96,119.45 152.28,119.45 152.55,119.18 152.55,118.5 152.28,118.23 150.96,118.23 150.85,118.12 150.85,117.66 150.96,117.55 152.51,117.55 152.78,117.27 152.78,116.6 152.51,116.33 150.96,116.33 150.85,116.21 150.85,115.15 151.45,114.55 T3.12
GE1_MDI3_P: length 94.1
  TOP w0.114: v1(106.64,164.29) 106.81,164.46 106.81,165.56 107.3,166.05 108.08,166.05 108.15,166.11 U25.10
  BOTTOM w0.114: T3.11 150.45,114.55 150.58,114.69 150.58,116.32 150.85,116.59 152.4,116.59 152.51,116.71 152.51,117.16 152.4,117.28 150.85,117.28 150.58,117.55 150.58,118.23 150.85,118.5 152.17,118.5 152.29,118.61 152.29,119.07 152.17,119.18 150.85,119.18 150.58,119.45 150.58,121.33 149.71,122.2 149.71,131.7 143.4,138.01 135.27,138.01 132.7,140.58 132.7,155.05 129.31,158.45 120.45,158.45 119.14,159.75 110.23,159.75 106.82,163.16 106.82,164.1 v1(106.64,164.29)
GE1_PHY_AD2: length 3.1
  TOP w0.127: RN79.6 108.53,163.4 v1(108.41,163.53) 108.41,163.64 109.33,164.57 U25.13
  BOTTOM w0.114: v1(108.41,163.53) 108.41,163.98 R370.1
GE1_RXDLY: length 2.5
  TOP w0.127: U25.32 116.57,168.11 R182.1
GE1_SELRGV: length 3.6
  TOP w0.127: RN79.5 109.1,163.54 v1(109.09,163.55) 109.09,163.7 109.73,164.34 U25.14
  BOTTOM w0.114: v1(109.09,163.55) 109.09,163.09 109.37,162.81 R371.1
GE1_TXDLY: length 2.9
  TOP w0.127: U25.16 110.53,163.84 110.53,163.84 110.53,163.64 v1(110.36,163.47) 110.56,163.27 RN20.8
  BOTTOM w0.114: R372.1 110.74,163.09 v1(110.36,163.47)
GE1_VDDREG: length 6.1
  TOP w0.254: U25.44 110.93,170.65 110.57,171.02 ; U25.45 110.53,170.98 110.57,171.02 ; 110.57,171.02 110.57,171.17 109.73,172.01 C166.1
  TOP w0.508: C166.1 109.69,172.48 C176.1 109.69,175.29 LB11.2
GPIO0_1: length 260.1
  TOP w0.127: v2(152.65,120.24) 152.53,120.12 148.72,120.12 146.43,117.83 141.22,117.83 136.96,113.56 136.96,105.84 v1(137.16,105.64) ; U10.C1 78.64,153.27 78.64,154.33 78.38,154.58 78.38,156.79 77.44,157.73 60.35,157.73 53.29,150.67 53.29,146.79 52.83,146.33 v1(52.83,130.61) ; R706.2 197.74,111.61 196.98,110.85 189.87,110.85 182.88,117.83 181.23,117.83 180.59,118.47 176.91,118.47 v2(176.28,119.1)
  BOTTOM w0.127: v2(152.65,120.24) 152.65,130.4 161.04,138.79 171.5,138.79 173.35,136.93 173.35,131.62 176.28,128.7 v2(176.28,119.1) ; v1(137.16,105.64) 136.75,105.23 109.75,105.23 108.92,106.07 102.44,106.07 101.85,106.65 95.5,106.65 92.76,103.91 85.9,103.91 83.13,106.68 71.96,106.68 58.47,120.17 58.47,122.83 52.83,128.47 v1(52.83,130.61)
GPIO8_4: length 0.6
  TOP w0.127: U10.J28 v1(101.21,148.29)
GPIO13_4: length 135.7
  TOP w0.127: R660.1 178.16,171.32 176.02,173.46 172.21,173.46 v1(171.96,173.2) ; v1(104.52,156.39) 102.74,156.39 100.81,154.46 U10.A28 ; v1(146.76,136.78) 146.76,136.32 141.86,131.42 v1(141.63,131.42) ; v1(171.83,143.87) 171.58,143.87 170.18,145.26 170.18,145.9 v1(172.59,148.31)
  BOTTOM w0.127: v1(104.52,156.39) 104.52,155.68 107.44,152.76 109.98,152.76 113.28,149.45 117.09,149.45 118.11,148.44 118.11,146.53 120.52,144.12 127.63,144.12 127.76,143.99 127.76,141.33 127.2,140.77 127.2,135.13 129.57,132.77 134.49,132.77 134.9,132.36 140.69,132.36 v1(141.63,131.42) ; v1(172.59,148.31) 171.37,149.53 171.37,171.86 171.96,172.44 v1(171.96,173.2) ; v1(171.83,143.87) 171.58,143.87 170.92,144.53 161.65,144.53 154.79,137.67 147.65,137.67 v1(146.76,136.78)